# Altium PCB shepherd_pcb_v2.2.PcbDoc (part 1 of 3)
Units mm, origin at the board's own origin, x right, y up, seen from the top; angles counter-clockwise.
Board outline 75.18 x 54.61 mm, 4 copper layers (L1, L2P, L3, L4), stack 1.59 mm thick; 336 components, 223 nets, 1078 pads, 453 vias.
Unrouted connection lines stored in the file: 2.
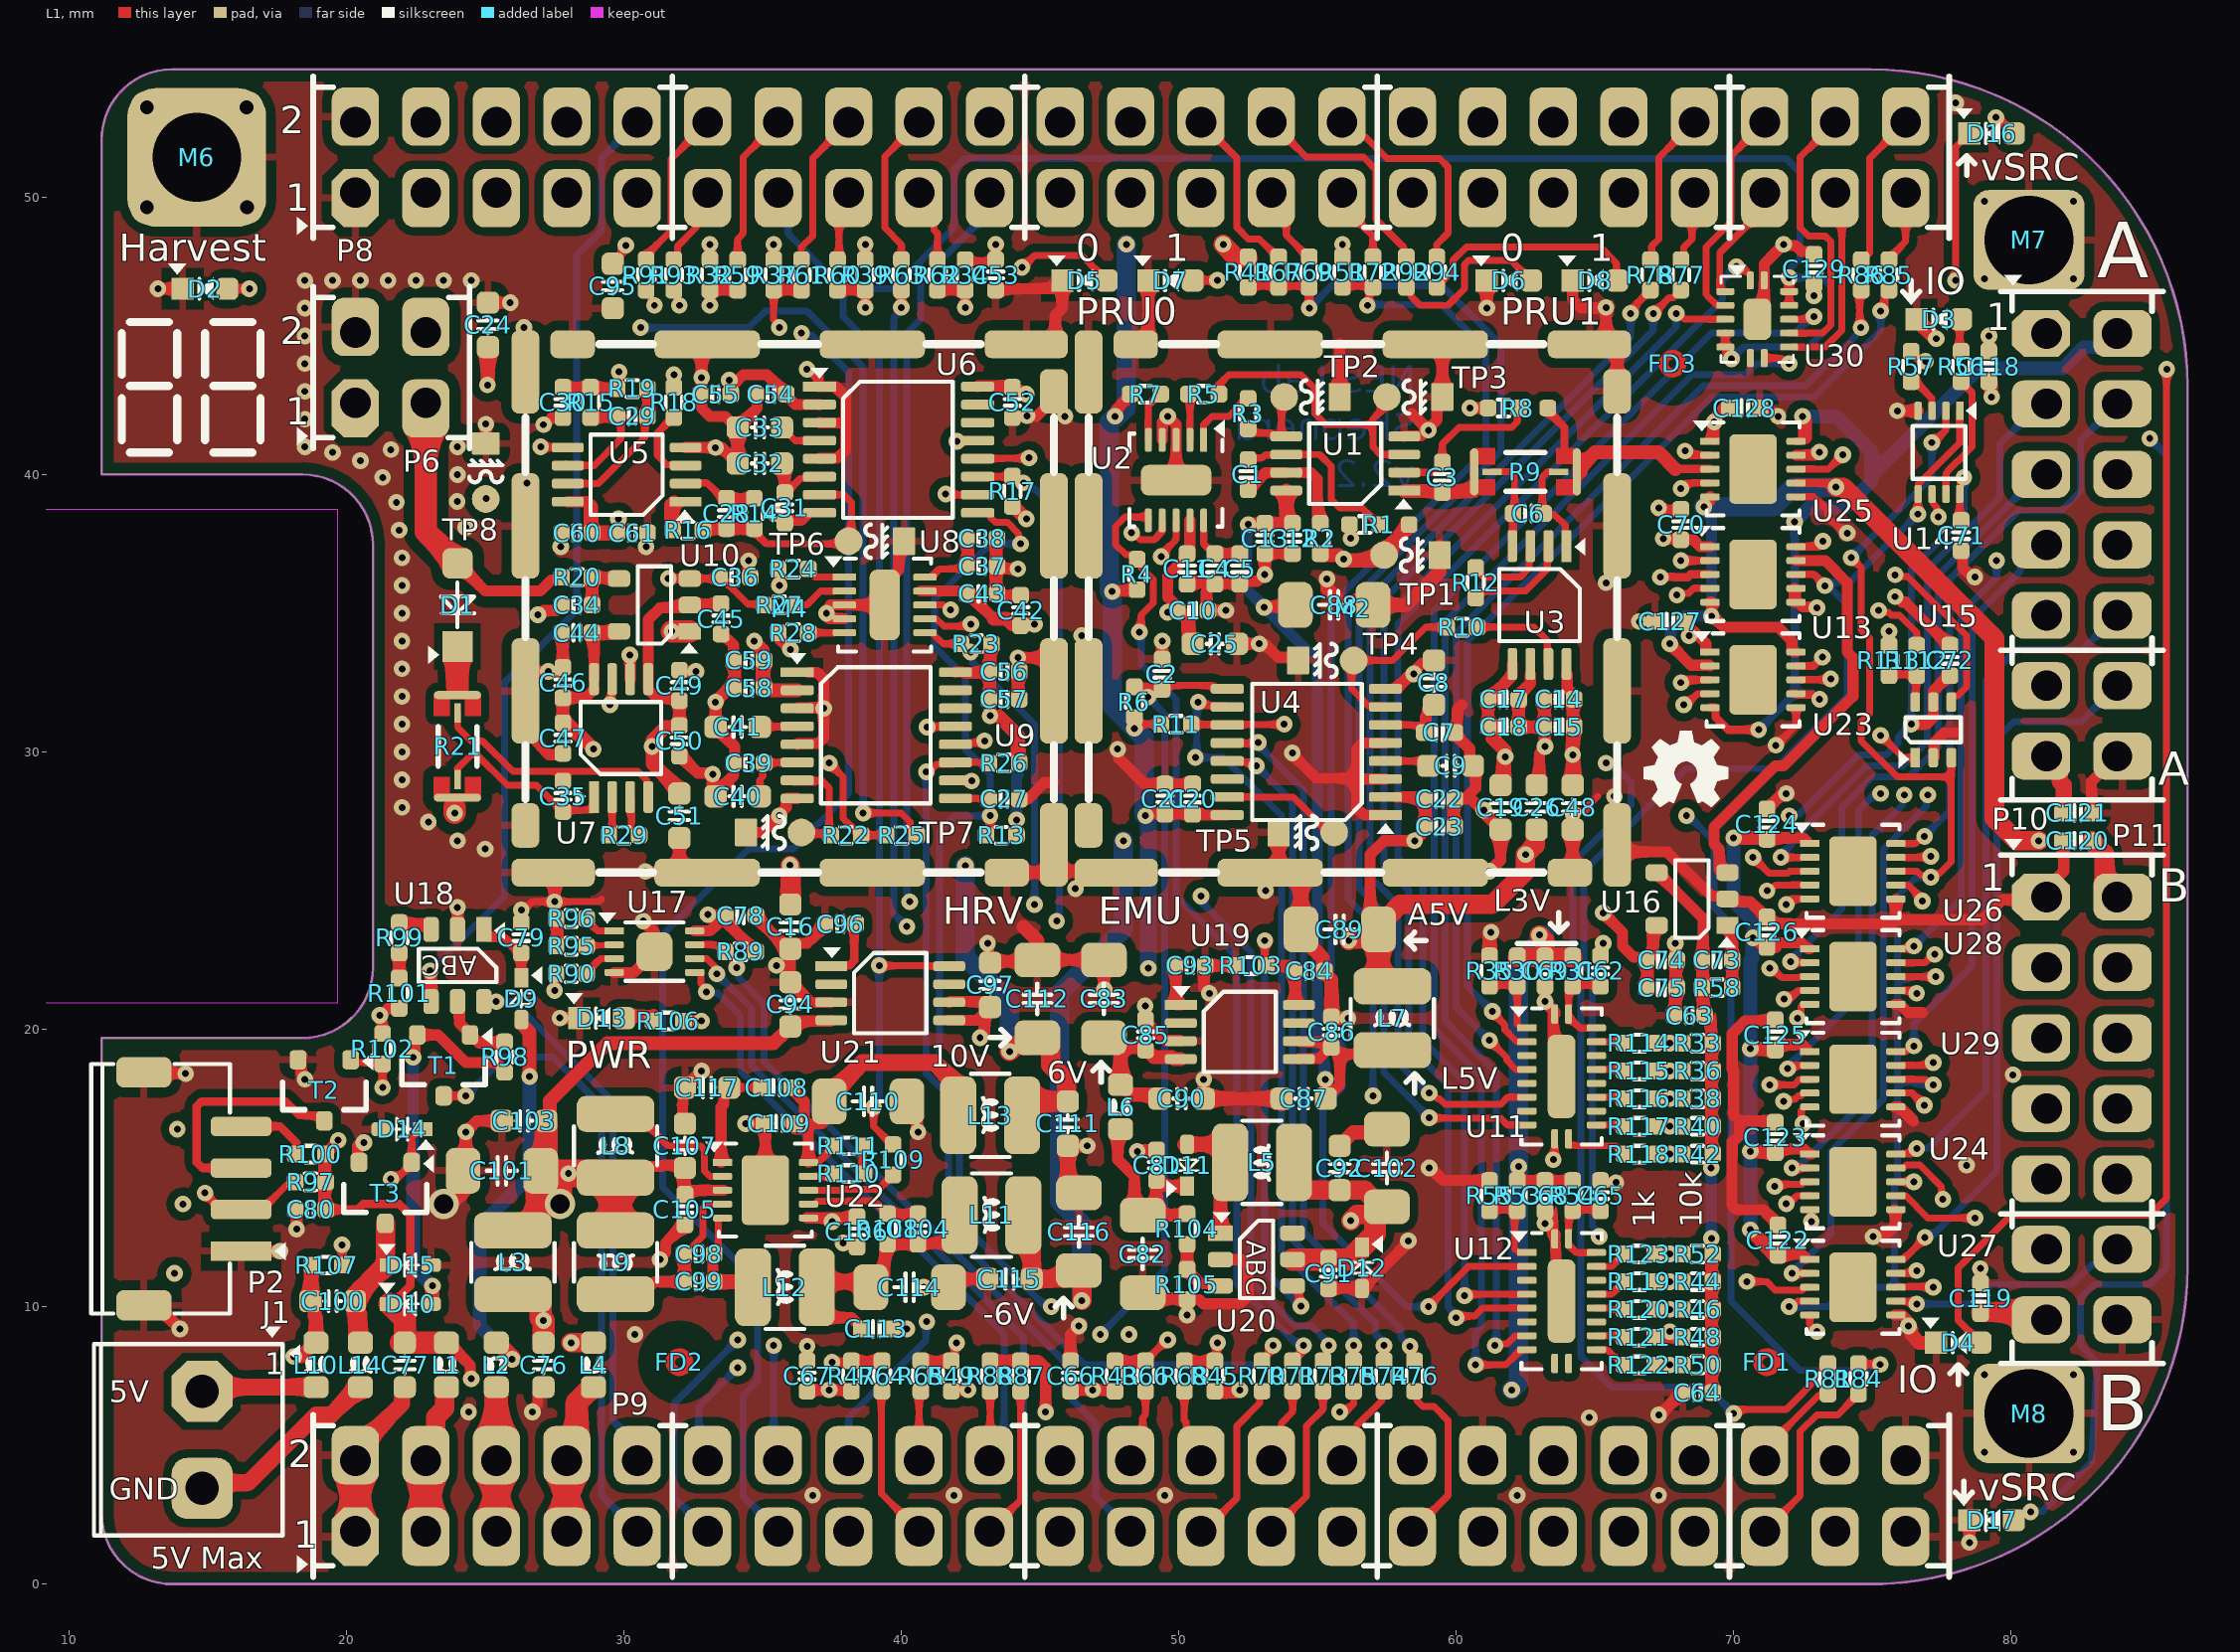
[diagram p0: L1 view]
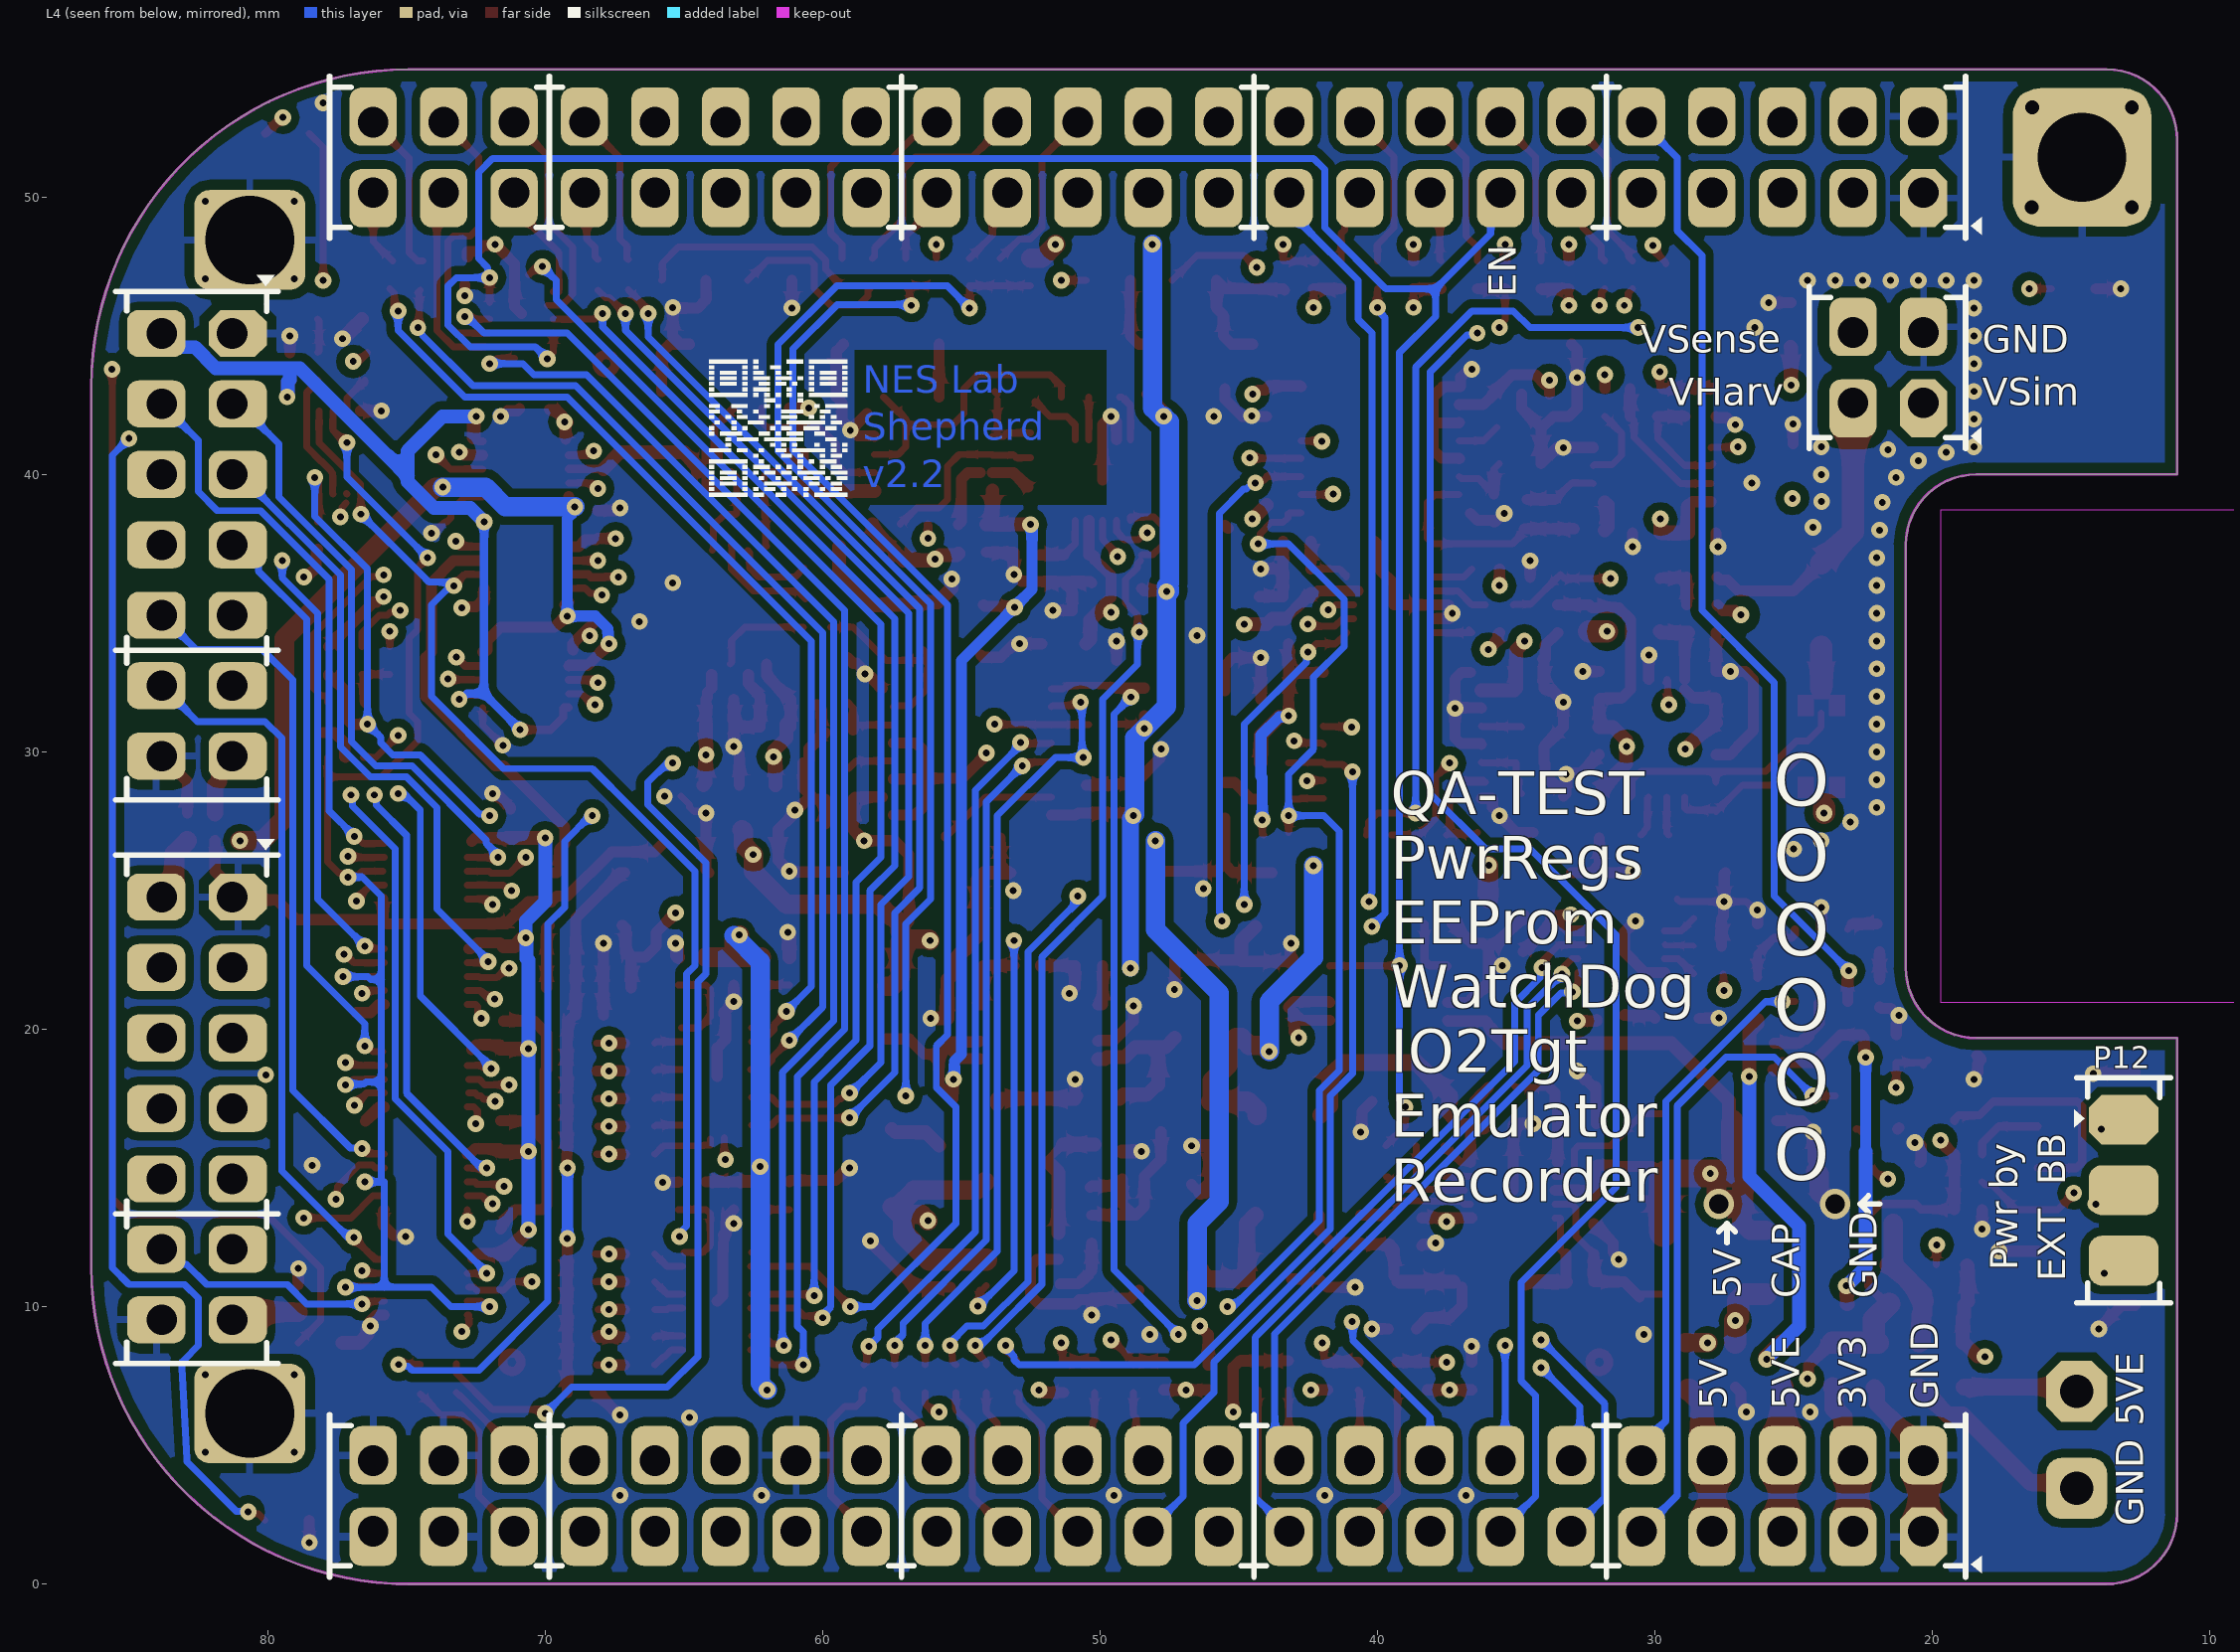
[diagram p1: L4 view, seen from below]
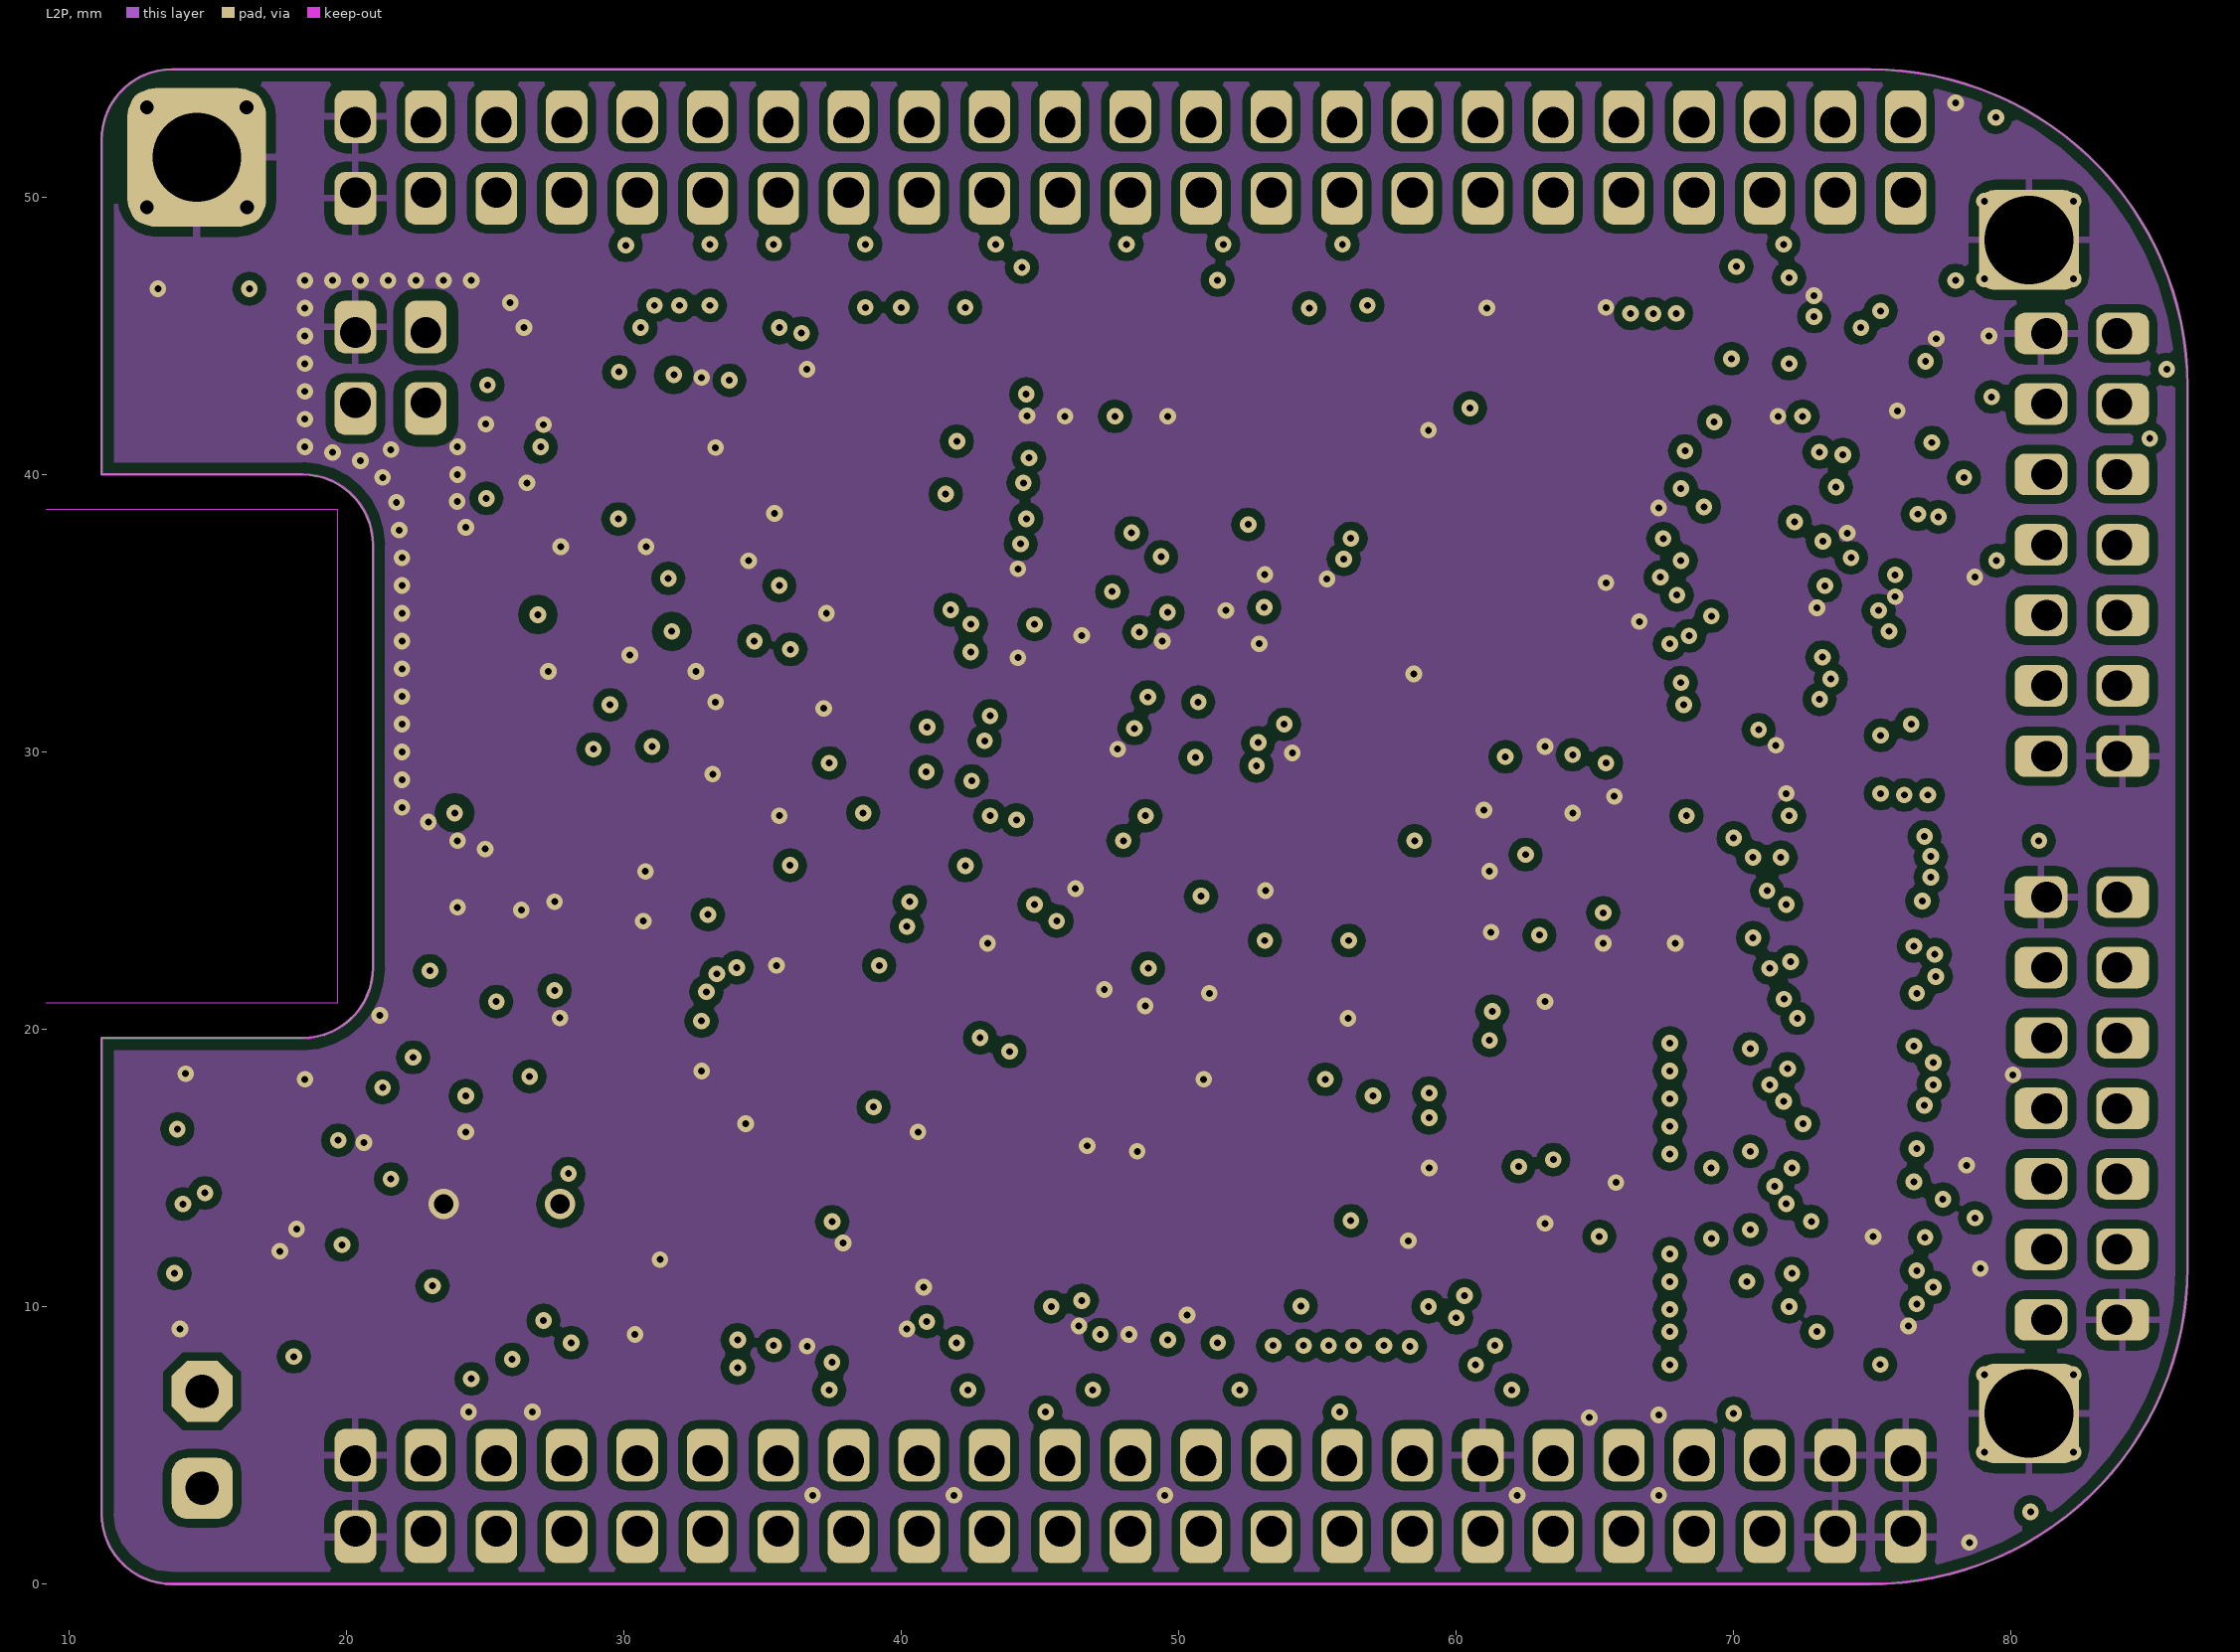
[diagram p2: L2P]